# Altium PCB LimeSDR-QPCIe_1v2.PcbDoc (part 17 of 21)
Units mm, origin at the board's own origin, x right, y up, seen from the top; angles counter-clockwise.
Board outline 190 x 111.15 mm, 14 copper layers (Top, L2, L3, L4, L5, L6, L7, L8, L9, L10, L11, L12, L13, Bottom), stack 1.907 mm thick; 2014 components, 1408 nets, 9111 pads, 4171 vias.
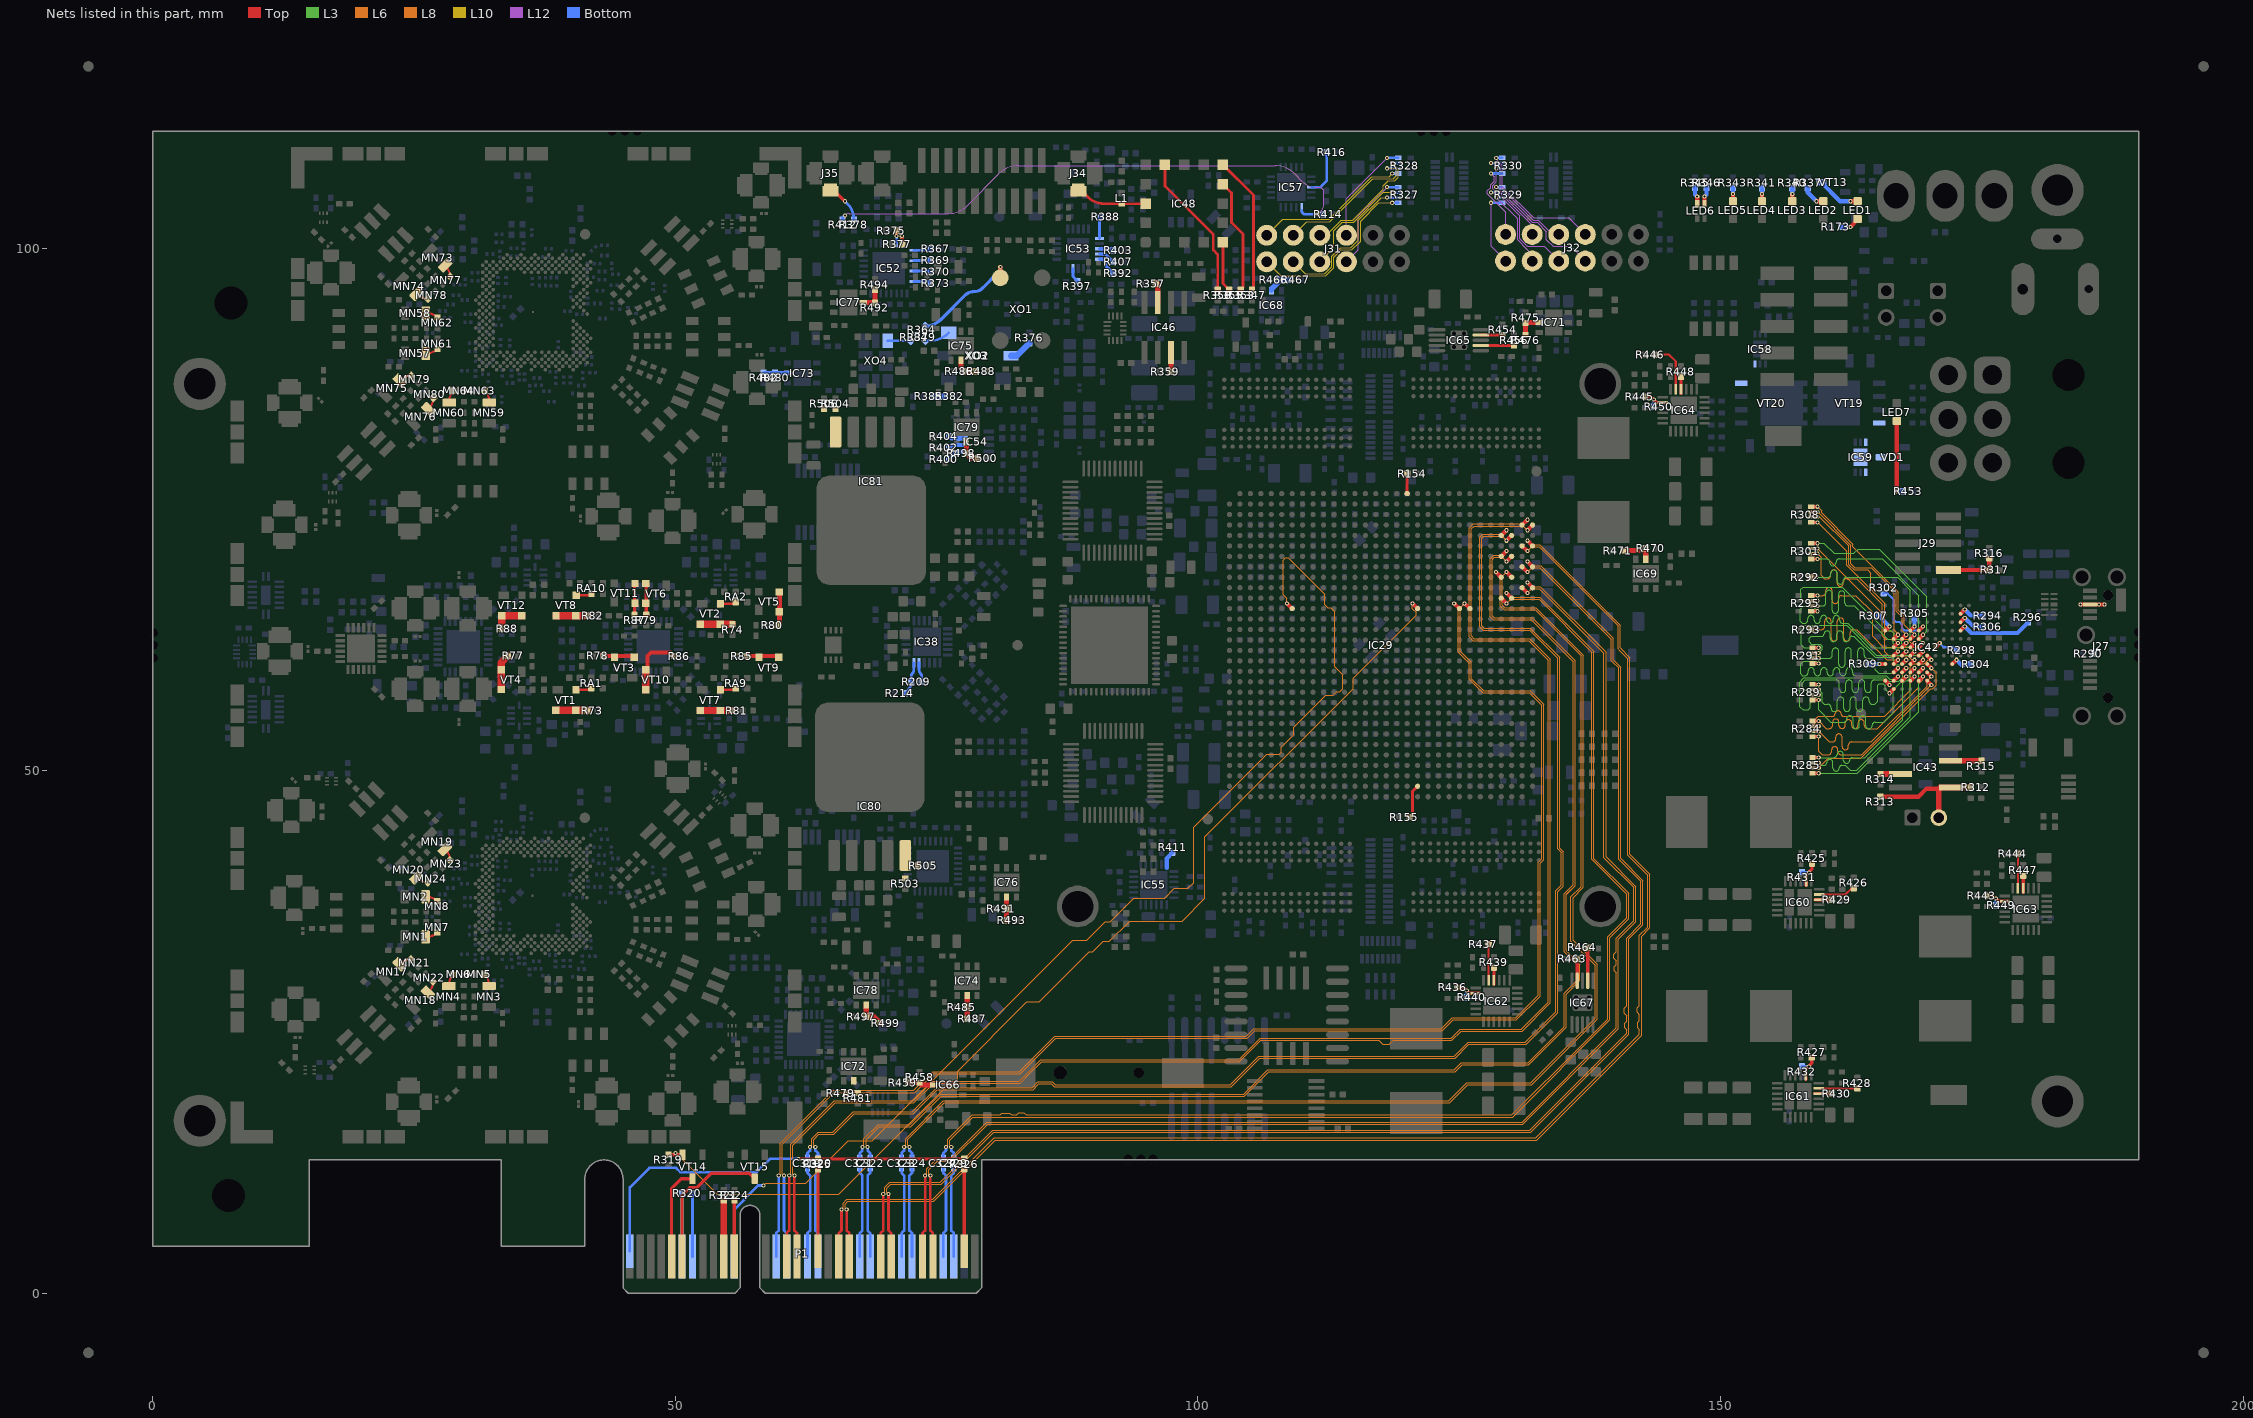
[diagram p29: the nets of this part, all layers, seen from the top]

## Via types
v1: diameter 0.4, hole 0.2, Top to Bottom, tented both sides, 3282 vias
v2: diameter 0.4, hole 0.2, Top to Bottom, tented top, 531 vias
v3: diameter 0.35, hole 0.2, Top to Bottom, tented top, 210 vias
v4: diameter 0.5, hole 0.2, Top to Bottom, tented both sides, 99 vias
v5: diameter 0.5, hole 0.2, Top to Bottom, tented bottom, 49 vias

## Nets (pads, with @x,y where several pads share a name; then routed paths per layer and width w, separated by ;. In a path a pad name is that pad's centre, name@x,y a point inside that pad or via, vN(x,y) a via of type N, cw(c..) or ccw(c..) an arc to the next point about the centre after c; other vN are vias at no path point) (continued)
NetIC38_23: IC38.23 R209.1 | length 1.9
  Bottom w0.254: IC38.23@73.325,60.325 73.325,59.637 ccw(c73.837,59.637) 73.475,59.275 cw(c73.234,59.034) 73.575,59.034 R209.1@73.575,58.5
NetIC38_24: IC38.24 R209.2 R214.1 | length 3.2
  Bottom w0.254: R214.1@72,57.4 72.204,57.604 ccw(c71.308,58.5) R209.2@72.575,58.5 72.575,59.023 cw(c73.002,59.023) 72.7,59.325 ccw(c72.398,59.627) 72.825,59.627 IC38.24@72.825,60.325
NetIC42_B2: IC42.B2 R294.1 | length 2.5
  Top w0.4: IC42.B2@172.975,65 v2(173.375,65.4)
  Bottom w0.4: v2(173.375,65.4) 173.95,64.825 R294.1@175.075,64.825
NetIC42_B3: IC42.B3 R306.2 | length 2.6
  Top w0.4: IC42.B3@172.975,64.2 v2(173.375,64.6)
  Bottom w0.4: v2(173.375,64.6) 174.2,63.775 R306.2@175.075,63.775
NetIC42_B4: IC42.B4 R296.1 | length 7.3
  Top w0.4: IC42.B4@172.975,63.4 v2(173.375,63.8)
  Bottom w0.4: v2(173.375,63.8) 174,63.175 178.425,63.175 R296.1@179.425,64.175
NetIC42_C8: IC42.C8 R304.2 | length 2.2
  Top w0.4: IC42.C8@172.175,60.2 v2(172.575,60.6)
  Bottom w0.4: v2(172.575,60.6) 173.075,60.1 173.9,60.1 R304.2@173.975,60.175
NetIC42_E6: IC42.E6 R298.1 | length 2.5
  Top w0.4: IC42.E6@170.575,61.8 v2(170.975,62.2)
  Bottom w0.2: v2(170.975,62.2) 171.375,61.8 172.3,61.8 R298.1@172.6,61.5
NetIC42_F7: IC42.F7 R284.5 | length 17.5
  Top w0.3: R284.5@158.8,54.25 v1(159.4,54.25)
  Top w0.4: IC42.F7@169.775,61 v2(170.175,60.6)
  L6 w0.1: v1(159.4,54.25) 159.225,54.25 159.05,54.425 159.05,54.895 159.355,55.2 160.65,55.2 160.75,55.2 ccw(c160.75,55.404) 160.954,55.404 cw(c161.258,55.404) 161.258,55.708 cw(c161.258,55.404) 161.562,55.404 ccw(c161.766,55.404) 161.766,55.2 162.175,55.2 165.7,55.2 168.175,57.675 168.175,59.95 168.45,60.225 169.521,60.225 169.896,60.6 v2(170.175,60.6)
NetIC42_F8: IC42.F8 R285.3 | length 17.5
  Top w0.3: R285.3@158.8,50.25 v1(159.4,50.25)
  Top w0.4: IC42.F8@169.775,60.2 v2(170.175,59.8)
  L6 w0.1: v1(159.4,50.25) 160.325,51.175 163.433,51.175 170.108,57.85 170.32,57.85 170.625,58.155 170.625,59.145 170.625,59.35 v2(170.175,59.8)
NetIC42_F9: IC42.F9 R284.3 | length 17.5
  Top w0.3: R284.3@158.8,53.75 v1(159.4,53.75)
  Top w0.4: IC42.F9@169.775,59.4 v2(170.175,59)
  L6 w0.1: v1(159.4,53.75) 160.4,52.75 160.725,52.75 ccw(c160.725,53.054) 161.029,53.054 161.029,53.204 cw(c161.333,53.204) 161.333,53.508 cw(c161.333,53.204) 161.637,53.204 161.637,52.75 161.637,52.296 ccw(c161.941,52.296) 161.941,51.992 ccw(c161.941,52.296) 162.245,52.296 162.245,52.446 cw(c162.549,52.446) 162.549,52.75 163.775,52.75 164.442,52.75 169.775,58.083 169.775,58.6 v2(170.175,59)
NetIC42_F10: IC42.F10 R284.1 | length 17.2
  Top w0.3: R284.1@158.8,53.25 v1(159.4,53.25)
  Top w0.4: IC42.F10@169.775,58.6 v2(170.175,58.2)
  L6 w0.1: v1(159.4,53.25) 159.4,51.85 159.725,51.525 160.325,51.525 ccw(c160.325,51.829) 160.629,51.829 160.629,51.983 cw(c160.933,51.983) 160.933,52.287 cw(c160.933,51.983) 161.237,51.983 161.237,51.829 ccw(c161.541,51.829) 161.541,51.525 161.625,51.525 163.5,51.525 v2(170.175,58.2)
NetIC42_G4: IC42.G4 R302.1 | length 7.4
  Top w0.4: IC42.G4@168.975,63.4 v2(169.375,63.8)
  Bottom w0.2: R302.1@165.575,66.925 R302.1@165.625,66.975 165.966,66.975 166.575,66.366 166.575,65.184 166.575,64.434 166.809,64.2 167.141,64.2 167.375,63.966 167.375,63.634 167.609,63.4 168.975,63.4 v2(169.375,63.8)
NetIC42_G5: IC42.G5 R301.7 | length 17.9
  Top w0.3: R301.7@158.7,71.75 v1(159.3,71.75)
  Top w0.4: IC42.G5@168.975,62.6 v2(169.375,63)
  L3 w0.1: v1(159.3,71.75) 159.9,71.75 160.875,70.775 162.775,70.775 163.2,71.2 165.175,71.2 169.725,66.65 169.725,63.35 v2(169.375,63)
NetIC42_G6: IC42.G6 R301.1 | length 17.8
  Top w0.3: R301.1@158.7,70.25 v1(159.3,70.25)
  Top w0.4: IC42.G6@168.975,61.8 v2(169.375,62.2)
  L3 w0.1: v1(159.3,70.25) 160.15,70.25 cw(c160.15,69.946) 160.454,69.946 160.454,69.912 ccw(c160.758,69.912) 160.758,69.608 ccw(c160.758,69.912) 161.062,69.912 161.062,69.946 cw(c161.366,69.946) 161.366,70.25 163.5,70.25 165.475,70.25 168.975,66.75 168.975,62.6 v2(169.375,62.2)
NetIC42_G7: IC42.G7 R295.7 | length 17.1
  Top w0.3: R295.7@158.7,66.75 v1(159.3,66.75)
  Top w0.4: IC42.G7@168.975,61 v2(169.375,61.4)
  L6 w0.1: v1(159.3,66.75) 159.775,66.75 ccw(c159.775,67.054) 160.079,67.054 160.079,67.208 cw(c160.383,67.208) 160.383,67.512 cw(c160.383,67.208) 160.687,67.208 160.687,66.75 160.687,66.292 ccw(c160.991,66.292) 160.991,65.988 ccw(c160.991,66.292) 161.295,66.292 161.295,66.446 cw(c161.599,66.446) 161.599,66.75 162.575,66.75 162.95,66.75 164.55,65.15 164.55,62.85 165.575,61.825 168.693,61.825 169.118,61.4 v2(169.375,61.4)
NetIC42_G8: IC42.G8 R291.7 | length 17.8
  Top w0.3: R291.7@158.8,61.75 v1(159.4,61.75)
  Top w0.4: IC42.G8@168.975,60.2 v2(169.375,60.6)
  L3 w0.1: v1(159.4,61.75) 158.025,61.75 157.725,62.05 157.725,63.55 158.075,63.9 162.075,63.9 164.925,61.05 169.2,61.05 169.375,60.875 v2(169.375,60.6)
NetIC42_G9: IC42.G9 R285.1 | length 17.5
  Top w0.3: R285.1@158.8,49.75 v1(159.4,49.75)
  Top w0.4: IC42.G9@168.975,59.4 v2(169.375,59.8)
  L3 w0.1: v1(159.4,49.75) 163.1,49.75 168.975,55.625 168.975,59.4 v2(169.375,59.8)
NetIC42_G10: IC42.G10 R284.7 | length 17.5
  Top w0.3: R284.7@158.8,54.75 v1(159.4,54.75)
  Top w0.4: IC42.G10@168.975,58.6 v2(169.375,59)
  L6 w0.1: v1(159.4,54.75) 160.125,54.025 160.425,54.025 ccw(c160.425,54.329) 160.729,54.329 160.729,54.629 cw(c161.033,54.629) 161.033,54.933 cw(c161.033,54.629) 161.337,54.629 161.337,54.329 ccw(c161.641,54.329) 161.641,54.025 ccw(c161.641,54.329) 161.945,54.329 161.945,54.569 cw(c162.249,54.569) 162.249,54.873 cw(c162.249,54.569) 162.553,54.569 162.553,54.329 ccw(c162.857,54.329) 162.857,54.025 ccw(c162.857,54.329) 163.161,54.329 163.161,54.569 cw(c163.465,54.569) 163.465,54.873 cw(c163.465,54.569) 163.769,54.569 163.769,54.329 ccw(c164.073,54.329) 164.073,54.025 164.2,54.025 165,54.025 168.967,57.992 168.967,58.292 169.375,58.7 v2(169.375,59)
NetIC42_H4: IC42.H4 R305.1 | length 1.3
  Top w0.4: IC42.H4@168.175,63.4 v2(168.575,63.8)
  Bottom w0.4: v2(168.575,63.8) R305.1@168.575,64.55
NetIC42_H5: IC42.H5 R308.7 | length 17.3
  Top w0.3: R308.7@158.7,75.25 v1(159.3,75.25)
  Top w0.4: IC42.H5@168.175,62.6 v2(168.575,63)
  L6 w0.1: v1(159.3,75.25) 159.675,74.875 159.675,74.658 162.675,71.658 162.675,71.433 167.025,67.083 167.025,65.328 167.6,64.753 167.6,63.975 v2(168.575,63)
NetIC42_H6: IC42.H6 R308.1 | length 17.5
  Top w0.3: R308.1@158.7,73.75 v1(159.3,73.75)
  Top w0.4: IC42.H6@168.175,61.8 v2(168.575,62.2)
  L6 w0.1: v1(159.3,73.75) 162.075,70.975 162.075,69.625 165.7,66 165.7,63.78 166.105,63.375 166.375,63.375 166.625,63.125 166.625,62.855 166.905,62.575 167.9,62.575 168.275,62.2 v2(168.575,62.2)
NetIC42_H7: IC42.H7 R295.5 | length 17.5
  Top w0.3: R295.5@158.7,66.25 v1(159.3,66.25)
  Top w0.4: IC42.H7@168.175,61 v2(168.575,61.4)
  L3 w0.1: v1(159.3,66.25) 157.95,66.25 157.7,66.5 157.7,67.35 157.9,67.55 161.65,67.55 165.8,63.4 166.325,63.4 166.625,63.1 166.625,62.775 166.85,62.55 167.12,62.55 167.325,62.345 167.325,62.155 167.63,61.85 168.125,61.85 v2(168.575,61.4)
NetIC42_H8: IC42.H8 R301.5 | length 16.9
  Top w0.3: R301.5@158.7,71.25 v1(159.3,71.25)
  Top w0.4: IC42.H8@168.175,60.2 v2(168.575,60.6)
  L8 w0.1: v1(159.3,71.25) 165.725,64.825 165.725,61.355 166.08,61 167.9,61 168.3,60.6 v2(168.575,60.6)
NetIC42_H9: IC42.H9 R285.7 | length 17.8
  Top w0.3: R285.7@158.8,51.25 v1(159.4,51.25)
  Top w0.4: IC42.H9@168.175,59.4 v2(168.575,59.8)
  L3 w0.1: v1(159.4,51.25) 160.25,51.25 160.851,51.25 ccw(c160.851,51.554) 161.155,51.554 ; 161.155,51.539 cw(c161.459,51.539) 161.459,51.843 cw(c161.459,51.539) 161.763,51.539 161.763,51.25 161.763,51.004 ccw(c162.067,51.004) 162.067,50.7 ccw(c162.067,51.004) 162.371,51.004 cw(c162.617,51.004) 162.617,51.25 162.675,51.25 163.825,51.25 167.425,54.85 167.425,58.359 167.666,58.6 167.892,58.6 168.175,58.883 168.175,59.4 v2(168.575,59.8)
NetIC42_H10: IC42.H10 R285.5 | length 17.8
  Top w0.3: R285.5@158.8,50.75 v1(159.4,50.75)
  Top w0.4: IC42.H10@168.175,58.6 v2(168.575,59)
  L3 w0.1: v1(159.4,50.75) 159.65,50.5 159.85,50.5 159.908,50.5 ccw(c159.908,50.746) 160.154,50.746 cw(c160.458,50.746) 160.458,51.05 cw(c160.458,50.746) 160.762,50.746 160.762,50.5 160.762,50.254 ccw(c161.066,50.254) 161.066,49.95 ccw(c161.066,50.254) 161.37,50.254 cw(c161.616,50.254) 161.616,50.5 161.8,50.5 161.95,50.5 162.4,50.05 163.05,50.05 168.175,55.175 168.175,58.6 v2(168.575,59)
NetIC42_J5: IC42.J5 R308.5 | length 17.3
  Top w0.3: R308.5@158.7,74.75 v1(159.3,74.75)
  Top w0.4: IC42.J5@167.375,62.6 v2(167.775,63)
  L6 w0.1: v1(159.3,74.75) 162.475,71.575 162.475,69.791 162.866,69.4 164.425,69.4 166.825,67 166.825,65.245 167.4,64.67 167.4,63.375 v2(167.775,63)
NetIC42_J6: IC42.J6 R292.1 | length 17.8
  Top w0.3: R292.1@158.6,68.5 v1(159.2,68.5)
  Top w0.4: IC42.J6@167.375,61.8 v2(167.775,62.2)
  L3 w0.1: v1(159.2,68.5) 160.25,68.5 ccw(c160.25,68.804) 160.554,68.804 160.554,68.869 cw(c160.858,68.869) 160.858,69.173 cw(c160.858,68.869) 161.162,68.869 161.162,68.5 161.162,68.143 ccw(c161.466,68.143) 161.466,67.839 ccw(c161.466,68.143) 161.77,68.143 161.77,68.196 cw(c162.074,68.196) 162.074,68.5 166.275,68.5 166.942,68.5 168.175,67.267 168.175,62.6 v2(167.775,62.2)
NetIC42_J7: IC42.J7 R295.3 | length 17.8
  Top w0.3: R295.3@158.7,65.75 v1(159.3,65.75)
  Top w0.4: IC42.J7@167.375,61 v2(167.775,61.4)
  L3 w0.1: v1(159.3,65.75) 159.775,65.75 ccw(c159.775,66.054) 160.079,66.054 160.079,66.956 cw(c160.383,66.956) 160.383,67.26 cw(c160.383,66.956) 160.687,66.956 160.687,65.75 160.687,65.359 ccw(c160.991,65.359) 160.991,65.055 ccw(c160.991,65.359) 161.295,65.359 161.295,65.75 161.295,66.874 cw(c161.599,66.874) 161.599,67.178 cw(c161.599,66.874) 161.903,66.874 161.903,66.054 ccw(c162.207,66.054) 162.207,65.75 162.225,65.75 162.825,65.75 166.025,62.55 166.32,62.55 166.525,62.345 166.525,62.133 166.883,61.775 167.4,61.775 v2(167.775,61.4)
NetIC42_J8: IC42.J8 R291.5 | length 17.6
  Top w0.3: R291.5@158.8,61.25 v1(159.4,61.25)
  Top w0.4: IC42.J8@167.375,60.2 v2(167.775,60.6)
  L3 w0.1: v1(159.4,61.25) 159.75,61.6 159.75,61.895 159.545,62.1 158.7,62.1 158.475,62.325 158.475,62.65 158.675,62.85 159.6,62.85 159.7,62.85 ccw(c159.7,63.054) 159.904,63.054 cw(c160.208,63.054) 160.208,63.358 cw(c160.208,63.054) 160.512,63.054 160.512,62.85 160.512,62.646 ccw(c160.816,62.646) 160.816,62.342 ccw(c160.816,62.646) 161.12,62.646 161.12,62.85 161.12,63.054 cw(c161.424,63.054) 161.424,63.358 cw(c161.424,63.054) 161.728,63.054 161.728,62.85 161.728,62.646 ccw(c162.032,62.646) 162.032,62.342 ccw(c162.032,62.646) 162.336,62.646 cw(c162.54,62.646) 162.54,62.85 162.8,62.85 162.825,62.825 164.825,60.825 166.4,60.825 166.575,60.65 166.575,60.325 166.75,60.15 167.55,60.15 167.775,60.375 v2(167.775,60.6)
NetIC42_J9: IC42.J9 R289.3 | length 17.7
  Top w0.3: R289.3@158.8,57.25 v1(159.4,57.25)
  Top w0.4: IC42.J9@167.375,59.4 v2(167.775,59.8)
  L3 w0.1: v1(159.4,57.25) 158.6,56.45 158.6,56 158.4,55.8 157.9,55.8 157.575,56.125 157.575,58.475 157.975,58.875 165.783,58.875 166.108,58.55 167.05,58.55 167.425,58.925 167.425,59.45 v2(167.775,59.8)
NetIC42_J10: IC42.J10 R289.1 | length 17.8
  Top w0.3: R289.1@158.8,56.75 v1(159.4,56.75)
  Top w0.4: IC42.J10@167.375,58.6 v2(167.775,59)
  L3 w0.1: v1(159.4,56.75) 159.4,55.8 160.575,54.625 161.775,54.625 ccw(c161.775,54.929) 162.079,54.929 162.079,54.944 cw(c162.383,54.944) 162.383,55.248 cw(c162.383,54.944) 162.687,54.944 162.687,54.625 162.687,54.306 ccw(c162.991,54.306) 162.991,54.002 ccw(c162.991,54.306) 163.295,54.306 163.295,54.625 163.295,54.944 cw(c163.599,54.944) 163.599,55.248 cw(c163.599,54.944) 163.903,54.944 163.903,54.625 163.903,54.306 ccw(c164.207,54.306) 164.207,54.002 ccw(c164.207,54.306) 164.511,54.306 164.511,54.321 cw(c164.815,54.321) 164.815,54.625 165.35,54.625 165.625,54.625 166.525,55.525 166.525,57.742 167.625,58.842 167.625,58.858 167.767,59 v2(167.775,59)
NetIC42_K5: IC42.K5 R308.3 | length 17.4
  Top w0.3: R308.3@158.7,74.25 v1(159.3,74.25)
  Top w0.4: IC42.K5@166.575,62.6 v2(166.975,63)
  L6 w0.1: v1(159.3,74.25) 159.517,74.25 162.275,71.492 162.275,69.708 162.783,69.2 164.075,69.2 164.4,68.875 164.4,67.583 164.658,67.325 166.217,67.325 166.625,66.917 166.625,63.45 166.975,63.1 v2(166.975,63)
NetIC42_K6: IC42.K6 R301.3 | length 17.5
  Top w0.3: R301.3@158.7,70.75 v1(159.3,70.75)
  Top w0.4: IC42.K6@166.575,61.8 v2(166.975,62.2)
  L6 w0.1: v1(159.3,70.75) 159.3,70.745 159.65,70.395 159.65,68.675 159.95,68.375 160.25,68.375 ccw(c160.25,68.679) 160.554,68.679 160.554,68.894 cw(c160.858,68.894) 160.858,69.198 cw(c160.858,68.894) 161.162,68.894 161.162,68.375 161.162,67.944 ccw(c161.466,67.944) 161.466,67.64 ccw(c161.466,67.944) 161.77,67.944 161.77,68.071 cw(c162.074,68.071) 162.074,68.375 162.525,68.375 163.025,68.375 165.475,65.925 165.475,62.9 165.8,62.575 166.567,62.575 166.942,62.2 v2(166.975,62.2)
NetIC42_K7: IC42.K7 R295.1 | length 17.8
  Top w0.3: R295.1@158.7,65.25 v1(159.3,65.25)
  Top w0.4: IC42.K7@166.575,61 v2(166.975,61.4)
  L3 w0.1: v1(159.3,65.25) 158.825,65.725 157.9,65.725 157.625,65.45 157.625,64.3 157.825,64.1 158.05,64.1 ccw(c158.05,64.404) 158.354,64.404 158.354,64.543 cw(c158.658,64.543) 158.658,64.847 cw(c158.658,64.543) 158.962,64.543 158.962,64.404 ccw(c159.266,64.404) 159.266,64.1 ccw(c159.266,64.404) 159.57,64.404 159.57,64.543 cw(c159.874,64.543) 159.874,64.847 cw(c159.874,64.543) 160.178,64.543 160.178,64.404 ccw(c160.482,64.404) 160.482,64.1 ccw(c160.482,64.404) 160.786,64.404 160.786,64.543 cw(c161.09,64.543) 161.09,64.847 cw(c161.09,64.543) 161.394,64.543 161.394,64.404 ccw(c161.698,64.404) 161.698,64.1 161.8,64.1 162.158,64.1 164.508,61.75 166.625,61.75 v2(166.975,61.4)
NetIC42_K8: IC42.K8 R293.1 | length 17.5
  Top w0.3: R293.1@158.7,63.5 v1(159.3,63.5)
  Top w0.4: IC42.K8@166.575,60.2 v2(166.975,60.6)
  L6 w0.1: v1(159.3,63.5) 159.675,63.5 ccw(c159.675,63.804) 159.979,63.804 159.979,64.291 cw(c160.283,64.291) 160.283,64.595 cw(c160.283,64.291) 160.587,64.291 160.587,63.5 160.587,62.709 ccw(c160.891,62.709) 160.891,62.405 ccw(c160.891,62.709) 161.195,62.709 161.195,63.5 161.195,64.291 cw(c161.499,64.291) 161.499,64.595 cw(c161.499,64.291) 161.803,64.291 161.803,63.5 161.803,62.709 ccw(c162.107,62.709) 162.107,62.405 ccw(c162.107,62.709) 162.411,62.709 162.411,63.196 cw(c162.715,63.196) 162.715,63.5 162.85,63.5 163.025,63.5 165.925,60.6 v2(166.975,60.6)
NetIC42_K9: IC42.K9 R291.3 | length 17.8
  Top w0.3: R291.3@158.8,60.75 v1(159.4,60.75)
  Top w0.4: IC42.K9@166.575,59.4 v2(166.975,59.8)
  L3 w0.1: v1(159.4,60.75) 160.4,60.75 ccw(c160.4,61.054) 160.704,61.054 160.704,61.431 cw(c161.008,61.431) 161.008,61.735 cw(c161.008,61.431) 161.312,61.431 161.312,60.75 161.312,60.198 ccw(c161.616,60.198) 161.616,59.894 ccw(c161.616,60.198) 161.92,60.198 161.92,60.75 161.92,61.431 cw(c162.224,61.431) 162.224,61.735 cw(c162.224,61.431) 162.528,61.431 162.528,60.75 162.528,60.198 ccw(c162.832,60.198) 162.832,59.894 ccw(c162.832,60.198) 163.136,60.198 163.136,60.75 163.136,61.431 cw(c163.44,61.431) 163.44,61.735 cw(c163.44,61.431) 163.744,61.431 163.744,61.054 ccw(c164.048,61.054) 164.048,60.75 164.1,60.75 164.5,60.75 164.8,60.45 164.8,59.65 165.125,59.325 166.5,59.325 v2(166.975,59.8)
NetIC42_K10: IC42.K10 R291.1 | length 17.7
  Top w0.3: R291.1@158.8,60.25 v1(159.4,60.25)
  Top w0.4: IC42.K10@166.575,58.6 v2(166.975,59)
  L3 w0.1: v1(159.4,60.25) 159.175,60.475 157.95,60.475 157.675,60.2 157.675,59.25 157.85,59.075 158.075,59.075 ccw(c158.075,59.379) 158.379,59.379 158.379,59.533 cw(c158.683,59.533) 158.683,59.837 cw(c158.683,59.533) 158.987,59.533 158.987,59.379 ccw(c159.291,59.379) 159.291,59.075 ccw(c159.291,59.379) 159.595,59.379 159.595,59.533 cw(c159.899,59.533) 159.899,59.837 cw(c159.899,59.533) 160.203,59.533 160.203,59.379 ccw(c160.507,59.379) 160.507,59.075 ccw(c160.507,59.379) 160.811,59.379 160.811,59.533 cw(c161.115,59.533) 161.115,59.837 cw(c161.115,59.533) 161.419,59.533 161.419,59.379 ccw(c161.723,59.379) 161.723,59.075 ccw(c161.723,59.379) 162.027,59.379 162.027,59.533 cw(c162.331,59.533) 162.331,59.837 cw(c162.331,59.533) 162.635,59.533 162.635,59.379 ccw(c162.939,59.379) 162.939,59.075 164.1,59.075 165.866,59.075 166.191,58.75 166.725,58.75 v2(166.975,59)
NetIC42_K11: IC42.K11 R289.5 | length 17.8
  Top w0.3: R289.5@158.8,57.75 v1(159.4,57.75)
  Top w0.4: v2(166.175,57.4) IC42.K11@166.575,57.8
  L3 w0.1: v1(159.4,57.75) 159.4,57.745 159.75,57.395 159.75,56.55 159.95,56.35 160.275,56.35 cw(c160.275,56.046) 160.579,56.046 160.579,55.959 ccw(c160.883,55.959) 160.883,55.655 ccw(c160.883,55.959) 161.187,55.959 161.187,56.35 161.187,56.741 cw(c161.491,56.741) 161.491,57.045 cw(c161.491,56.741) 161.795,56.741 161.795,56.35 161.795,55.959 ccw(c162.099,55.959) 162.099,55.655 ccw(c162.099,55.959) 162.403,55.959 162.403,56.35 162.403,56.741 cw(c162.707,56.741) 162.707,57.045 cw(c162.707,56.741) 163.011,56.741 163.011,56.35 163.011,55.959 ccw(c163.315,55.959) 163.315,55.655 ccw(c163.315,55.959) 163.619,55.959 163.619,56.35 163.619,56.741 cw(c163.923,56.741) 163.923,57.045 cw(c163.923,56.741) 164.227,56.741 164.227,56.654 ccw(c164.531,56.654) 164.531,56.35 164.625,56.35 164.75,56.35 165.05,56.65 165.05,58.15 165.2,58.3 165.575,58.3 165.775,58.1 165.775,57.8 v2(166.175,57.4)
NetIC42_L4: IC42.L4 R307.1 | length 2.1
  Top w0.4: IC42.L4@165.775,63.4 v2(166.175,63.8)
  Bottom w0.4: R307.1@165.05,64.825 R307.1@165.15,64.825 v2(166.175,63.8)
NetIC42_L8: IC42.L8 R309.1 | length 1.4
  Top w0.4: v2(165.209,60.2) IC42.L8@165.775,60.2
  Bottom w0.4: R309.1@164.35,60.2 v2(165.209,60.2)
NetIC42_L10: IC42.L10 R289.7 | length 17.8
  Top w0.3: R289.7@158.8,58.25 v1(159.4,58.25)
  Top w0.4: IC42.L10@165.775,58.6 v2(166.175,58.2)
  L3 w0.1: v1(159.4,58.25) 158.85,57.7 158.125,57.7 157.825,58 157.825,58.375 158.125,58.675 160.475,58.675 160.779,58.675 161.083,58.675 cw(c161.083,58.371) 161.387,58.371 161.387,57.78 ccw(c161.691,57.78) 161.691,57.476 ccw(c161.691,57.78) 161.995,57.78 161.995,58.371 cw(c162.299,58.371) 162.299,58.675 cw(c162.299,58.371) 162.603,58.371 162.603,57.78 ccw(c162.907,57.78) 162.907,57.476 ccw(c162.907,57.78) 163.211,57.78 163.211,58.371 cw(c163.515,58.371) 163.515,58.675 cw(c163.515,58.371) 163.819,58.371 163.819,57.78 ccw(c164.123,57.78) 164.123,57.476 ccw(c164.123,57.78) 164.427,57.78 164.427,58.371 cw(c164.731,58.371) 164.731,58.675 164.875,58.675 165.7,58.675 v2(166.175,58.2)
NetIC43_1: IC43.1 J28.2 R312.1 R313.2 | length 11.8
  Top w0.4: R313.2@165.3,47.5 168.95,47.5 169.72,48.27 170.895,48.27
  Top w0.55: J28.2@170.895,45.5 170.895,48.27 171.02,48.395 IC43.1@172.025,48.395 R312.1@173.94,48.395
NetIC43_3: IC43.3 R315.1 | length 2.9
  Top w0.55: IC43.3@172.025,50.935 R315.1@174.975,50.935
NetIC43_7: IC43.7 R314.1 | length 1.9
  Top w0.55: R314.1@165.31,49.665 IC43.7@167.225,49.665
NetIC46_3: IC46.3 R359.1 | length 1.8
  Top w0.5: R359.1@97.425,88.165 IC46.3@97.425,90
NetIC46_7: IC46.7 R357.1 | length 1.8
  Top w0.55: R357.1@96.065,96.6 96.155,96.51 IC46.7@96.155,94.8
NetIC48_3: IC48.3 J34.1 L1.1 | length 6.8
  Top w0.254: J34.1@88.575,105.45 cw(c88.575,104.665) 89.13,105.22 89.475,104.875 ccw(c90.984,106.384) 90.984,104.25 IC48.3@95,104.25
NetIC48_6: IC48.6 R358.1 | length 14
  Top w0.254: IC48.6@96.85,107.95 96.85,105.925 101.475,101.3 101.475,99.8 101.9,99.375 R358.1@101.9,96
NetIC48_9: IC48.9 R347.1 | length 13.2
  Top w0.254: IC48.9@102.4,107.95 102.429,107.95 105.325,105.054 105.325,96.15 R347.1@105.175,96
NetIC48_10: IC48.10 R353.1 | length 11
  Top w0.254: IC48.10@102.4,106.1 103.225,105.275 103.225,102.423 104.325,101.323 104.325,96.225 R353.1@104.1,96
NetIC48_13: IC48.13 R355.1 | length 4.8
  Top w0.254: IC48.13@102.4,100.55 102.4,96.6 R355.1@103,96
NetIC52_1: IC52.1 R367.2 | length 1.7
  Bottom w0.254: IC52.1@72.825,99.8 74.3,99.8 R367.2@74.425,99.925
NetIC52_3: IC52.3 R369.2 | length 1.6
  Bottom w0.254: IC52.3@72.825,98.8 74.4,98.8 R369.2@74.425,98.825
NetIC52_5: IC52.5 R370.2 | length 1.6
  Bottom w0.254: IC52.5@72.825,97.8 74.375,97.8 R370.2@74.425,97.75
NetIC52_7: IC52.7 R373.2 | length 1.7
  Bottom w0.254: IC52.7@72.825,96.8 74.275,96.8 R373.2@74.425,96.65
NetIC52_30: IC52.30 R375.1 | length 1.2
  Top w0.309: v1(71.175,101.15) R375.1@71.175,101.675
  Bottom w0.254: IC52.30@71.175,100.45 v1(71.175,101.15)
NetIC52_31: IC52.31 R377.2 | length 1.5
  Top w0.3: v1(71.675,101.15) 71.675,100.4 R377.2@71.725,100.35
  Bottom w0.254: IC52.31@71.675,100.45 v1(71.675,101.15)
NetIC53_11: IC53.11 R388.1 | length 2.1
  Bottom w0.3: IC53.11@90.6,100.925 90.6,102.9 R388.1@90.675,102.975
NetIC53_13: IC53.13 R403.2 | length 1.4
  Bottom w0.3: IC53.13@90.6,99.925 91.75,99.925 R403.2@91.9,99.775